# KiCad board panel.kicad_pcb
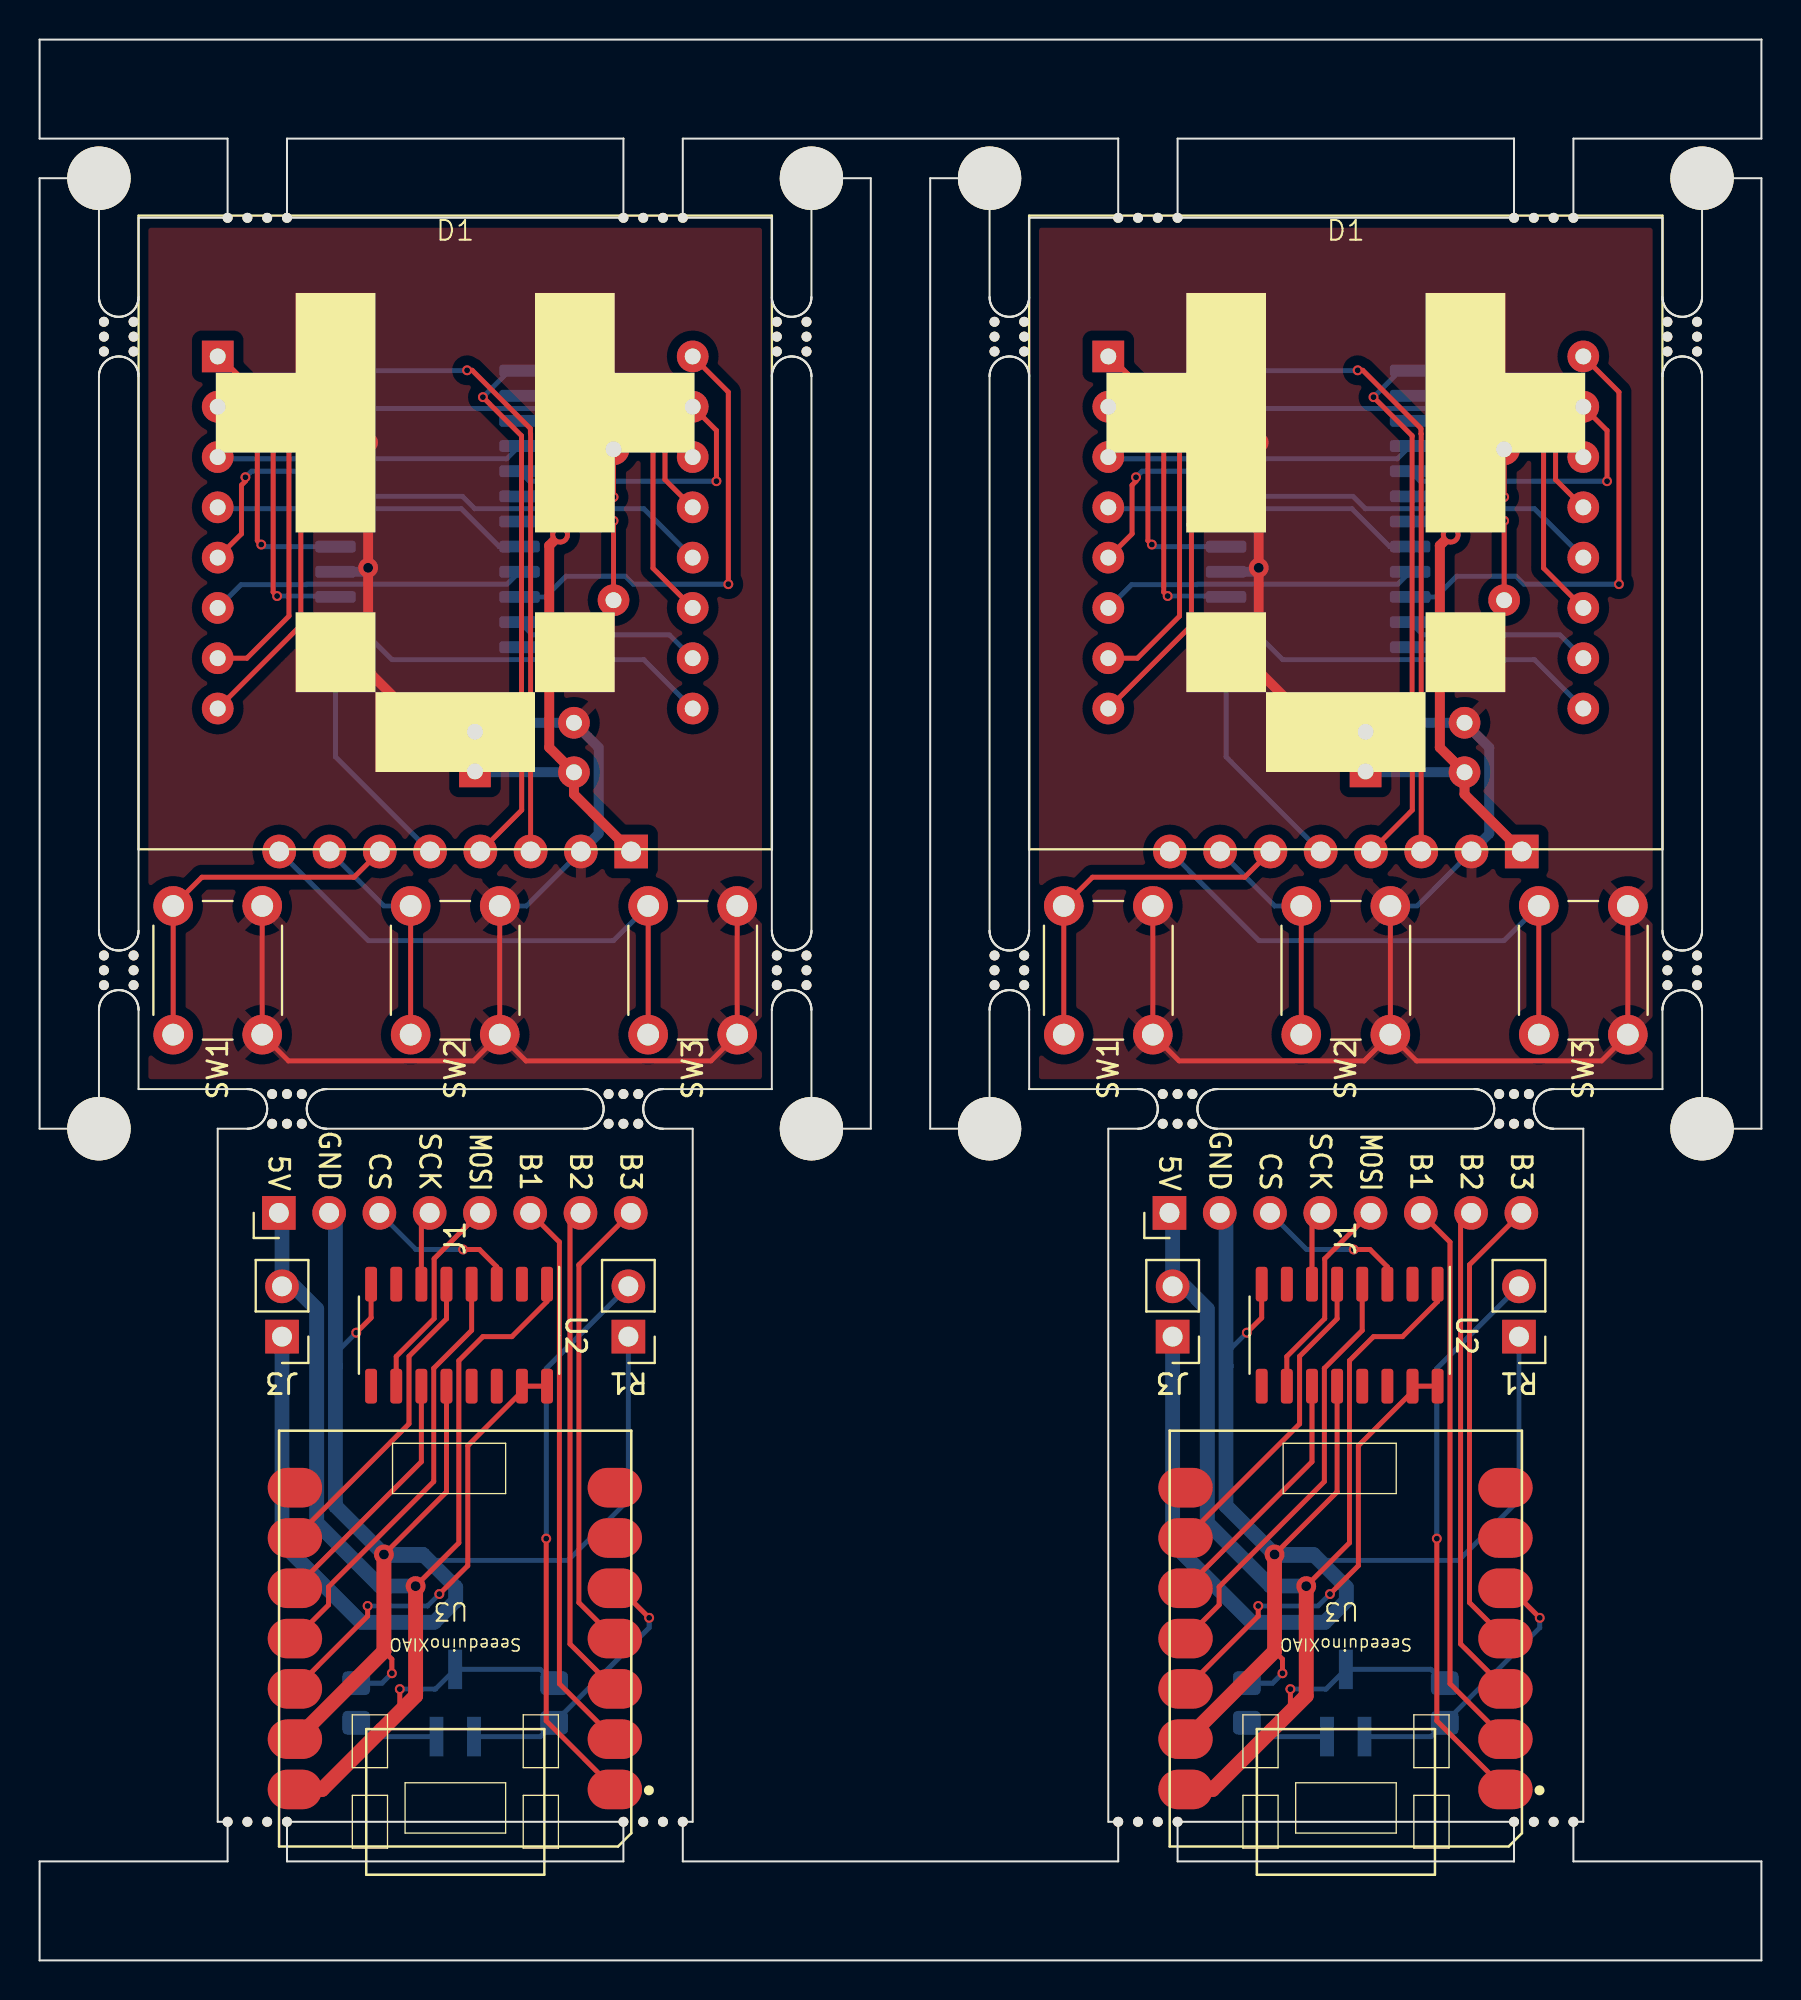
[diagram p0: board, top side]
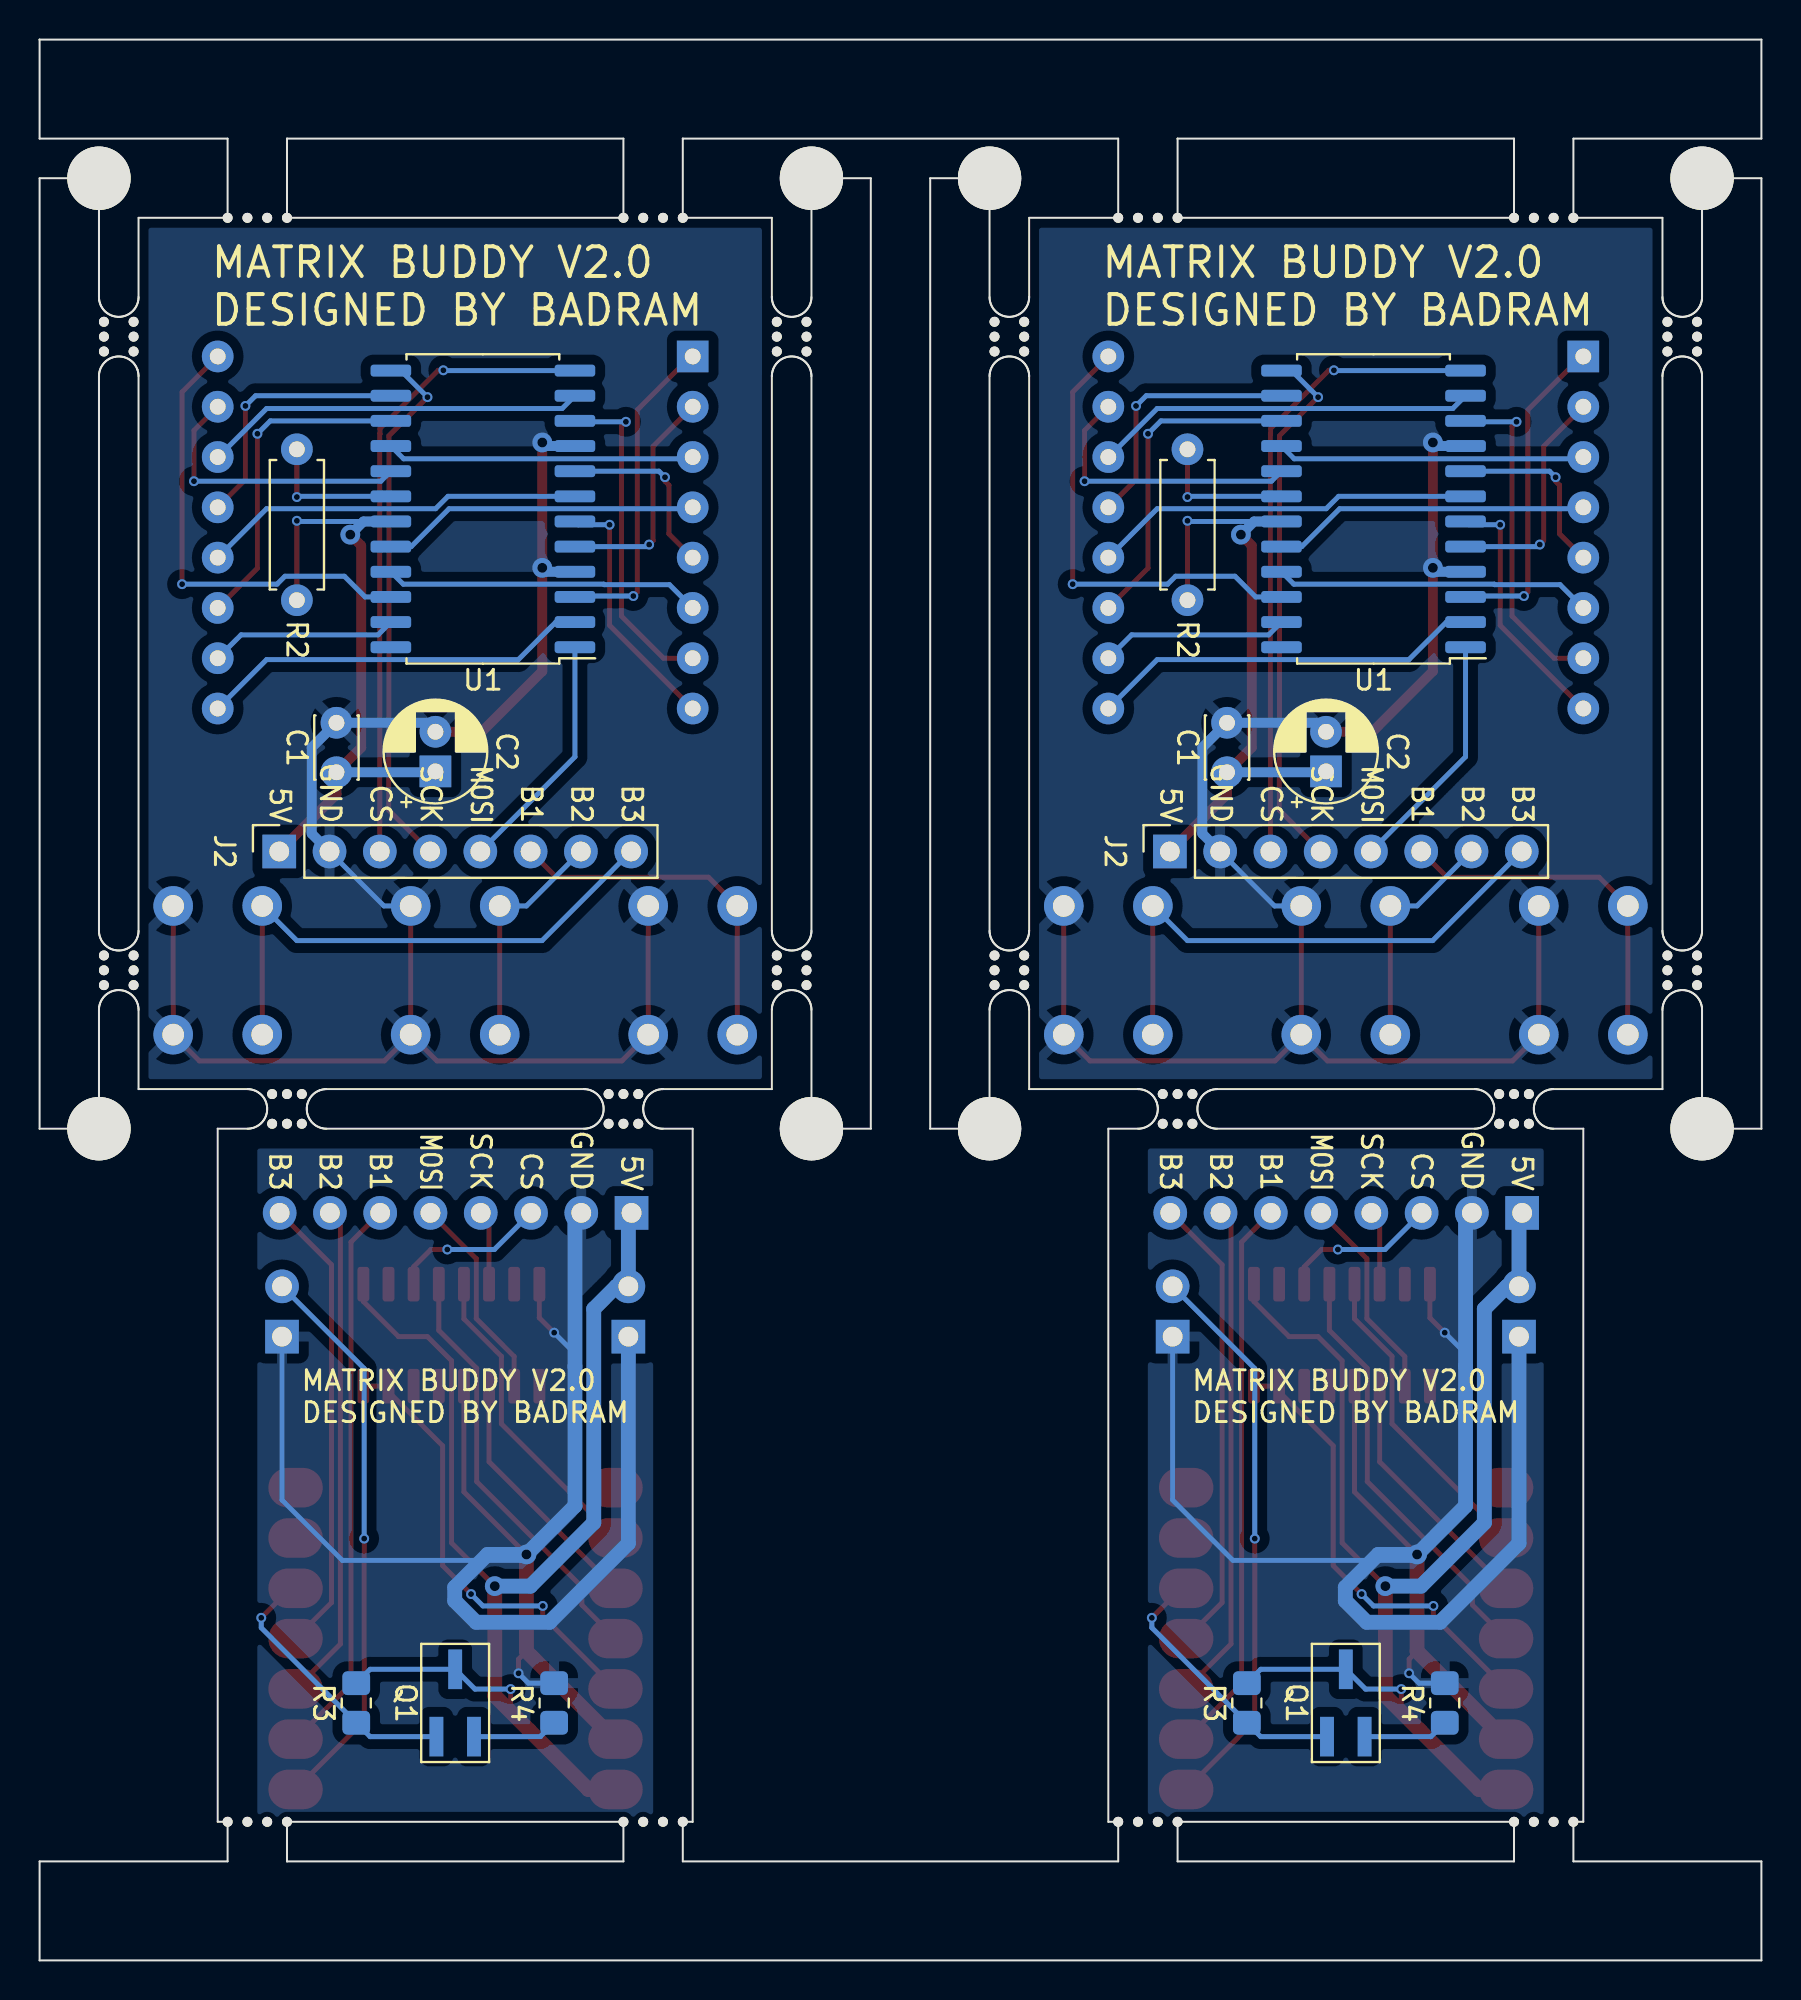
[diagram p1: board, bottom side, seen from below]

Outline 87 x 97 mm; copper layers: Top, Bottom. Coordinates in mm from the lower left corner of the outline.
Stack: Top 0.035mm / dielectric 1.51mm FR4 er 4.5 / Bottom 0.035mm

## Placement (name value [footprint] x y rotation side)
C1  0.1uF  [C_Disc_D3.0mm_W2.0mm_P2.50mm]  72 60 90 bottom
C1#2  0.1uF  [C_Disc_D3.0mm_W2.0mm_P2.50mm]  27 60 90 bottom
C2  10uF  [CP_Radial_D5.0mm_P2.00mm]  22 60.04 90 bottom
C2#2  10uF  [CP_Radial_D5.0mm_P2.00mm]  67 60.04 90 bottom
D1  ~  [8x8 LED Matrix]  21 72.11 0 top
D1#2  ~  [8x8 LED Matrix]  66 72.11 0 top
G***  -  [LOGO]  66 72.11 0 top
G***#2  -  [LOGO]  21 72.11 0 top
J1  Conn_01x08_Pin  [PinHeader_1x08_P2.54mm_Horizontal]  57.09 37.75 90 top
J1#2  Conn_01x08_Pin  [PinHeader_1x08_P2.54mm_Horizontal]  12.09 37.75 90 top
J2  Conn_01x08_Socket  [PinSocket_1x08_P2.54mm_Vertical]  21 56 90 bottom
J2#2  Conn_01x08_Socket  [PinSocket_1x08_P2.54mm_Vertical]  66 56 90 bottom
J3  BATT Connector  [PinHeader_1x02_P2.54mm_Vertical]  12.25 31.5 180 top
J3#2  BATT Connector  [PinHeader_1x02_P2.54mm_Vertical]  57.25 31.5 180 top
KiKit_MB_1_1  -  [NPTH]  32.5 7 0 top
KiKit_MB_1_2  -  [NPTH]  31.5 7 0 top
KiKit_MB_1_3  -  [NPTH]  30.5 7 0 top
KiKit_MB_1_4  -  [NPTH]  29.5 7 0 top
KiKit_MB_2_1  -  [NPTH]  12.5 7 0 top
KiKit_MB_2_2  -  [NPTH]  11.5 7 0 top
KiKit_MB_2_3  -  [NPTH]  10.5 7 0 top
KiKit_MB_2_4  -  [NPTH]  9.5 7 0 top
KiKit_MB_3_1  -  [NPTH]  29.5 88 0 top
KiKit_MB_3_2  -  [NPTH]  30.5 88 0 top
KiKit_MB_3_3  -  [NPTH]  31.5 88 0 top
KiKit_MB_3_4  -  [NPTH]  32.5 88 0 top
KiKit_MB_4_1  -  [NPTH]  9.5 88 0 top
KiKit_MB_4_2  -  [NPTH]  10.5 88 0 top
KiKit_MB_4_3  -  [NPTH]  11.5 88 0 top
KiKit_MB_4_4  -  [NPTH]  12.5 88 0 top
KiKit_MB_5_1  -  [NPTH]  77.5 7 0 top
KiKit_MB_5_2  -  [NPTH]  76.5 7 0 top
KiKit_MB_5_3  -  [NPTH]  75.5 7 0 top
KiKit_MB_5_4  -  [NPTH]  74.5 7 0 top
KiKit_MB_6_1  -  [NPTH]  57.5 7 0 top
KiKit_MB_6_2  -  [NPTH]  56.5 7 0 top
KiKit_MB_6_3  -  [NPTH]  55.5 7 0 top
KiKit_MB_6_4  -  [NPTH]  54.5 7 0 top
KiKit_MB_7_1  -  [NPTH]  74.5 88 0 top
KiKit_MB_7_2  -  [NPTH]  75.5 88 0 top
KiKit_MB_7_3  -  [NPTH]  76.5 88 0 top
KiKit_MB_7_4  -  [NPTH]  77.5 88 0 top
KiKit_MB_8_1  -  [NPTH]  54.5 88 0 top
KiKit_MB_8_2  -  [NPTH]  55.5 88 0 top
KiKit_MB_8_3  -  [NPTH]  56.5 88 0 top
KiKit_MB_8_4  -  [NPTH]  57.5 88 0 top
mouse-bite-2mm-slot  VAL**  [mouse-bite-2mm-slot]  83 82 90 top
mouse-bite-2mm-slot#2  VAL**  [mouse-bite-2mm-slot]  57.5 43 180 top
mouse-bite-2mm-slot#3  VAL**  [mouse-bite-2mm-slot]  74.5 43 180 top
mouse-bite-2mm-slot#4  VAL**  [mouse-bite-2mm-slot]  12.5 43 180 top
mouse-bite-2mm-slot#5  VAL**  [mouse-bite-2mm-slot]  83 50 90 top
mouse-bite-2mm-slot#6  VAL**  [mouse-bite-2mm-slot]  38 82 90 top
mouse-bite-2mm-slot#7  VAL**  [mouse-bite-2mm-slot]  38 50 90 top
mouse-bite-2mm-slot#8  VAL**  [mouse-bite-2mm-slot]  29.5 43 180 top
mouse-bite-2mm-slot#9  VAL**  [mouse-bite-2mm-slot]  4 82 90 top
mouse-bite-2mm-slot#10  VAL**  [mouse-bite-2mm-slot]  49 50 90 top
mouse-bite-2mm-slot#11  VAL**  [mouse-bite-2mm-slot]  4 50 90 top
mouse-bite-2mm-slot#12  VAL**  [mouse-bite-2mm-slot]  49 82 90 top
Q1  Q_PMOS_GSD  [SOT-23W_Handsoldering]  66 13 90 bottom
Q1#2  Q_PMOS_GSD  [SOT-23W_Handsoldering]  21 13 90 bottom
R1  R_Photo  [PinHeader_1x02_P2.54mm_Vertical]  74.75 31.5 180 top
R1#2  R_Photo  [PinHeader_1x02_P2.54mm_Vertical]  29.75 31.5 180 top
R2  47K  [R_Axial_DIN0207_L6.3mm_D2.5mm_P7.62mm_Horizontal]  74 68.69 90 bottom
R2#2  47K  [R_Axial_DIN0207_L6.3mm_D2.5mm_P7.62mm_Horizontal]  29 68.69 90 bottom
R3  100k  [R_0805_2012Metric_Pad1.20x1.40mm_HandSolder]  26 13 90 bottom
R3#2  100k  [R_0805_2012Metric_Pad1.20x1.40mm_HandSolder]  71 13 90 bottom
R4  22  [R_0805_2012Metric_Pad1.20x1.40mm_HandSolder]  16 13 90 bottom
R4#2  22  [R_0805_2012Metric_Pad1.20x1.40mm_HandSolder]  61 13 90 bottom
REF**  -  [MountingHole_3.2mm_M3]  39 42 0 top
REF**#2  -  [MountingHole_3.2mm_M3]  48 90 0 top
REF**#3  -  [MountingHole_3.2mm_M3]  3 42 0 top
REF**#4  -  [MountingHole_3.2mm_M3]  39 90 0 top
REF**#5  -  [MountingHole_3.2mm_M3]  84 42 0 top
REF**#6  -  [MountingHole_3.2mm_M3]  3 90 0 top
REF**#7  -  [MountingHole_3.2mm_M3]  48 42 0 top
REF**#8  -  [MountingHole_3.2mm_M3]  84 90 0 top
SW1  SW_Push  [SW_PUSH_6mm]  6.75 46.75 90 top
SW1#2  SW_Push  [SW_PUSH_6mm]  51.75 46.75 90 top
SW2  SW_Push  [SW_PUSH_6mm]  18.75 46.75 90 top
SW2#2  SW_Push  [SW_PUSH_6mm]  63.75 46.75 90 top
SW3  SW_Push  [SW_PUSH_6mm]  30.75 46.75 90 top
SW3#2  SW_Push  [SW_PUSH_6mm]  75.75 46.75 90 top
U1  MAX7221xWG  [SOIC-24W_7.5x15.4mm_P1.27mm]  64.6 73.3 0 bottom
U1#2  MAX7221xWG  [SOIC-24W_7.5x15.4mm_P1.27mm]  19.6 73.3 0 bottom
U2  4104  [SO-16_3.9x9.9mm_P1.27mm]  66.19 31.58 270 top
U2#2  4104  [SO-16_3.9x9.9mm_P1.27mm]  21.19 31.58 270 top
U3  SeeeduinoXIAO  [Seeeduino XIAO-MOUDLE NO-BOTTOM-CONNECTIONS]  66 26.75 180 top
U3#2  SeeeduinoXIAO  [Seeeduino XIAO-MOUDLE NO-BOTTOM-CONNECTIONS]  21 26.75 180 top

## Library data of the parts
C1 C1#2 = -: Description: Unpolarized capacitor
C2 C2#2 = -: Description: Polarized capacitor
J1 J1#2 J2 J2#2 = -: Description: Generic connector, single row, 01x08, script generated
J3 J3#2 = -: Description: Generic connector, single row, 01x02, script generated
Q1 Q1#2 = -: Description: P-MOSFET transistor, gate/source/drain
R1 R1#2 = -: Description: Photoresistor
R2 R2#2 R3 R3#2 R4 R4#2 = -: Description: Resistor, US symbol
SW1 SW1#2 SW2 SW2#2 SW3 SW3#2 = -: Description: Push button switch, generic, two pins
U1 U1#2 = -: Description: Serially Interfaced, 8-Digit LED Display Driver, SOIC-24W

## Footprints (pads in the part's own frame, mm; a bottom-side part is the same pattern mirrored in y, then rotated)
8x8 LED Matrix
  rect 1.6x1.6 hole 0.8: 1(-12,8.89)
  oval 1.6x1.6 hole 0.8: 2(-12,6.35) 3(-12,3.81) 4(-12,1.27) 5(-12,-1.27) 6(-12,-3.81) 7(-12,-6.35) 8(-12,-8.89) 9(12,-8.89) 10(12,-6.35) 11(12,-3.81) 12(12,-1.27) 13(12,1.27) 14(12,3.81) 15(12,6.35) 16(12,8.89)
C_Disc_D3.0mm_W2.0mm_P2.50mm
  round 1.6 hole 0.8: 1(0,0) 2(2.5,0)
CP_Radial_D5.0mm_P2.00mm
  rect 1.6x1.6 hole 0.8: 1(0,0)
  round 1.6 hole 0.8: 2(2,0)
MountingHole_3.2mm_M3
  round 3.2 hole 3.2 unplated: (0,0)
mouse-bite-2mm-slot
  round 0.5 hole 0.5 unplated: (-0.75,0.75) (-0.75,-0.75) (0,0.75) (0,-0.75) (0.75,0.75) (0.75,-0.75)
NPTH
  round 0.5 hole 0.5 unplated: (0,0)
PinHeader_1x02_P2.54mm_Vertical
  rect 1.7x1.7 hole 1: 1(0,0)
  oval 1.7x1.7 hole 1: 2(0,-2.54)
PinHeader_1x08_P2.54mm_Horizontal
  rect 1.7x1.7 hole 1: 1(0,0)
  oval 1.7x1.7 hole 1: 2(0,-2.54) 3(0,-5.08) 4(0,-7.62) 5(0,-10.16) 6(0,-12.7) 7(0,-15.24) 8(0,-17.78)
PinSocket_1x08_P2.54mm_Vertical
  rect 1.7x1.7 hole 1: 1(0,8.89)
  oval 1.7x1.7 hole 1: 2(0,6.35) 3(0,3.81) 4(0,1.27) 5(0,-1.27) 6(0,-3.81) 7(0,-6.35) 8(0,-8.89)
R_0805_2012Metric_Pad1.20x1.40mm_HandSolder
  rrect 1.2x1.4 smd: 1(-1,0) 2(1,0)
R_Axial_DIN0207_L6.3mm_D2.5mm_P7.62mm_Horizontal
  round 1.6 hole 0.8: 1(0,0)
  oval 1.6x1.6 hole 0.8: 2(7.62,0)
Seeeduino XIAO-MOUDLE NO-BOTTOM-CONNECTIONS
  oval 2.748x1.999 smd: 1(-8.066,18.118) 2(-8.066,15.578) 3(-8.066,13.038) 4(-8.066,10.498) 5(-8.066,7.958) 6(-8.066,5.418) 7(-8.066,2.878) 8(8.099,2.878) 9(8.099,5.418) 10(8.099,7.958) 11(8.099,10.498) 12(8.099,13.038) 13(8.099,15.578) 14(8.099,18.118)
SO-16_3.9x9.9mm_P1.27mm
  rrect 1.75x0.6 smd: 1(-2.575,4.445) 2(-2.575,3.175) 3(-2.575,1.905) 4(-2.575,0.635) 5(-2.575,-0.635) 6(-2.575,-1.905) 7(-2.575,-3.175) 8(-2.575,-4.445) 9(2.575,-4.445) 10(2.575,-3.175) 11(2.575,-1.905) 12(2.575,-0.635) 13(2.575,0.635) 14(2.575,1.905) 15(2.575,3.175) 16(2.575,4.445)
SOIC-24W_7.5x15.4mm_P1.27mm
  rrect 2.05x0.6 smd: 1(-4.65,6.985) 2(-4.65,5.715) 3(-4.65,4.445) 4(-4.65,3.175) 5(-4.65,1.905) 6(-4.65,0.635) 7(-4.65,-0.635) 8(-4.65,-1.905) 9(-4.65,-3.175) 10(-4.65,-4.445) 11(-4.65,-5.715) 12(-4.65,-6.985) 13(4.65,-6.985) 14(4.65,-5.715) 15(4.65,-4.445) 16(4.65,-3.175) 17(4.65,-1.905) 18(4.65,-0.635) 19(4.65,0.635) 20(4.65,1.905) 21(4.65,3.175) 22(4.65,4.445) 23(4.65,5.715) 24(4.65,6.985)
SOT-23W_Handsoldering
  rect 2x0.7 smd: 1(-1.7,0.95) 2(-1.7,-0.95) 3(1.7,0)
SW_PUSH_6mm
  round 2 hole 1.1: 1(0,0) 1(6.5,0) 2(0,-4.5) 2(6.5,-4.5)

## Nets
Board_0-/3V3: U2#2.15 U2#2.16 U3#2.12
Board_0-/5V_B2: J1#2.1 J3.2 Q1#2.3 R3.2 U2#2.1 U3#2.14
Board_0-/GND_B2: J1#2.2 J3.1 R1#2.1 R4.2 U2#2.8 U2#2.12 U3#2.13
Board_1-/3V3: U2.15 U2.16 U3.12
Board_1-/5V_B2: J1.1 J3#2.2 Q1.3 R3#2.2 U2.1 U3.14
Board_1-/GND_B2: J1.2 J3#2.1 R1.1 R4#2.2 U2.8 U2.12 U3.13
Board_0-+5V: C1#2.1 C2.1 J2.1 R2#2.1 U1#2.19
Board_0-/BUTT1_B2: J1#2.6 U3#2.2
Board_0-/BUTT2_B2: J1#2.7 U3#2.3
Board_0-/BUTT3_B2: J1#2.8 U3#2.4
Board_0-/CS_5V_B2: J1#2.3 U2#2.3
Board_0-/CS_B2: U2#2.11 U3#2.10
Board_0-/MOSI_5V_B2: J1#2.5 U2#2.10
Board_0-/MOSI_B2: U2#2.4 U3#2.11
Board_0-/PHOTO_SENSE: R1#2.2 U3#2.1
Board_0-/SCK_5V_B2: J1#2.4 U2#2.6
Board_0-/SCK_B2: U2#2.5 U3#2.9
Board_0-COL1: D1.13 U1#2.14
Board_0-COL2: D1.3 U1#2.16
Board_0-COL3: D1.4 U1#2.20
Board_0-COL4: D1.10 U1#2.23
Board_0-COL5: D1.6 U1#2.21
Board_0-COL6: D1.11 U1#2.15
Board_0-COL7: D1.15 U1#2.17
Board_0-COL8: D1.16 U1#2.22
Board_0-Earth: C1#2.2 C2.2 J2.2 SW1.2 SW2.2 SW3.2 U1#2.4 U1#2.9
Board_0-Net-(J2-Pin_3): J2.3 U1#2.12
Board_0-Net-(J2-Pin_4): J2.4 U1#2.13
Board_0-Net-(J2-Pin_5): J2.5 U1#2.1
Board_0-Net-(J2-Pin_6): J2.6 SW1.1
Board_0-Net-(J2-Pin_7): J2.7 SW2.1
Board_0-Net-(J2-Pin_8): J2.8 SW3.1
Board_0-Net-(Q1-G): Q1#2.1 R3.1 U3#2.5
Board_0-Net-(Q1-S): Q1#2.2 R4.1
Board_0-Net-(U1-ISET): R2#2.2 U1#2.18
Board_0-ROW1: D1.9 U1#2.2
Board_0-ROW2: D1.14 U1#2.11
Board_0-ROW3: D1.8 U1#2.6
Board_0-ROW4: D1.12 U1#2.7
Board_0-ROW5: D1.1 U1#2.3
Board_0-ROW6: D1.7 U1#2.10
Board_0-ROW7: D1.2 U1#2.5
Board_0-ROW8: D1.5 U1#2.8
Board_0-unconnected-(U1-DOUT-Pad24): U1#2.24
Board_0-unconnected-(U2-Pad2): U2#2.2
Board_0-unconnected-(U2-Pad7): U2#2.7
Board_0-unconnected-(U2-Pad9): U2#2.9
Board_0-unconnected-(U2-Pad13): U2#2.13
Board_0-unconnected-(U2-Pad14): U2#2.14
Board_0-unconnected-(U3-PA9_A5_D5_SCL-Pad6): U3#2.6
Board_0-unconnected-(U3-PB08_A6_D6_TX-Pad7): U3#2.7
Board_0-unconnected-(U3-PB09_A7_D7_RX-Pad8): U3#2.8
Board_1-+5V: C1.1 C2#2.1 J2#2.1 R2.1 U1.19
Board_1-/BUTT1_B2: J1.6 U3.2
Board_1-/BUTT2_B2: J1.7 U3.3
Board_1-/BUTT3_B2: J1.8 U3.4
Board_1-/CS_5V_B2: J1.3 U2.3
Board_1-/CS_B2: U2.11 U3.10
Board_1-/MOSI_5V_B2: J1.5 U2.10
Board_1-/MOSI_B2: U2.4 U3.11
Board_1-/PHOTO_SENSE: R1.2 U3.1
Board_1-/SCK_5V_B2: J1.4 U2.6
Board_1-/SCK_B2: U2.5 U3.9
Board_1-COL1: D1#2.13 U1.14
Board_1-COL2: D1#2.3 U1.16
Board_1-COL3: D1#2.4 U1.20
Board_1-COL4: D1#2.10 U1.23
Board_1-COL5: D1#2.6 U1.21
Board_1-COL6: D1#2.11 U1.15
Board_1-COL7: D1#2.15 U1.17
Board_1-COL8: D1#2.16 U1.22
Board_1-Earth: C1.2 C2#2.2 J2#2.2 SW1#2.2 SW2#2.2 SW3#2.2 U1.4 U1.9
Board_1-Net-(J2-Pin_3): J2#2.3 U1.12
Board_1-Net-(J2-Pin_4): J2#2.4 U1.13
Board_1-Net-(J2-Pin_5): J2#2.5 U1.1
Board_1-Net-(J2-Pin_6): J2#2.6 SW1#2.1
Board_1-Net-(J2-Pin_7): J2#2.7 SW2#2.1
Board_1-Net-(J2-Pin_8): J2#2.8 SW3#2.1
Board_1-Net-(Q1-G): Q1.1 R3#2.1 U3.5
Board_1-Net-(Q1-S): Q1.2 R4#2.1
Board_1-Net-(U1-ISET): R2.2 U1.18
Board_1-ROW1: D1#2.9 U1.2
Board_1-ROW2: D1#2.14 U1.11
Board_1-ROW3: D1#2.8 U1.6
Board_1-ROW4: D1#2.12 U1.7
Board_1-ROW5: D1#2.1 U1.3
Board_1-ROW6: D1#2.7 U1.10
Board_1-ROW7: D1#2.2 U1.5
Board_1-ROW8: D1#2.5 U1.8
Board_1-unconnected-(U1-DOUT-Pad24): U1.24
Board_1-unconnected-(U2-Pad2): U2.2
Board_1-unconnected-(U2-Pad7): U2.7
Board_1-unconnected-(U2-Pad9): U2.9
Board_1-unconnected-(U2-Pad13): U2.13
Board_1-unconnected-(U2-Pad14): U2.14
Board_1-unconnected-(U3-PA9_A5_D5_SCL-Pad6): U3.6
Board_1-unconnected-(U3-PB08_A6_D6_TX-Pad7): U3.7
Board_1-unconnected-(U3-PB09_A7_D7_RX-Pad8): U3.8

## Via types
v1: diameter 0.5, hole 0.3, Top to Bottom, 42 vias
v2: diameter 1, hole 0.5, Top to Bottom, 10 vias

## Routing (per net, layer and track width the routed paths; a pad name or vN(x,y) marks a point on that pad's centre or on a via; arc(x,y) is an arc through that point)
Board_0-/3V3: length 23.1
  Top w0.25: v1(16.58,17.9) 16.58,17.39 U3#2.12 ; U2#2.16 U2#2.15 24.37,28.72 21.64,25.99 21.64,19.94 v1(20.2,18.5)
  Bottom w0.25: v1(20.2,18.5) 19.6,17.9 v1(16.58,17.9)
Board_0-/5V_B2: length 65.4
  Top w0.25: v2(19,18.9) 21.19,21.08 21.19,30.28 22.4,31.5 23.87,31.5 25.64,33.28 U2#2.1 ; v1(18.2,13.7) 18.2,12.56
  Top w0.5: 12.25,37.59 J1#2.1
  Top w0.75: v2(19,18.9) 19,13.36 14.27,8.63 U3#2.14
  Bottom w0.25: v1(18.2,13.7) 20,13.7 Q1#2.3 25.3,14.7 R3.2
  Bottom w0.75: J1#2.1 12.25,37.59 J3.2 12.86,34.04 14,32.9 14,22.1 17.2,18.9 v2(19,18.9)
Board_0-/GND_B2: length 95.3
  Top w0.25: 17.4,15.61 17.8,15.21 v1(17.8,14.5) ; v1(16,31.7) 16.75,32.45 U2#2.8 ; v2(17.4,20.5) 20.56,23.66 U2#2.12
  Top w0.75: v2(17.4,20.5) 17.4,15.61 12.96,11.17 U3#2.13
  Bottom w0.25: v1(16,31.7) 14.95,30.65 ; v2(17.4,20.5) 17.7,20.2 26.7,20.2 29.75,23.25 R1#2.1 ; v1(17.8,14.5) 17.3,14 R4.2
  Bottom w0.75: J1#2.2 14.95,37.43 14.95,22.95 v2(17.4,20.5) 19.37,20.5 21.03,18.84 21.03,18.16 19.94,17.08 16.23,17.08 12.25,21.06 J3.1
Board_1-/3V3: length 23.1
  Top w0.25: v1(61.58,17.9) 61.58,17.39 U3.12 ; U2.16 U2.15 69.37,28.72 66.63,25.99 66.63,19.94 v1(65.2,18.5)
  Bottom w0.25: v1(65.2,18.5) 64.6,17.9 v1(61.58,17.9)
Board_1-/5V_B2: length 65.4
  Top w0.25: U2.1 70.64,33.28 68.87,31.5 67.4,31.5 66.19,30.28 66.19,21.08 v2(64,18.9) ; v1(63.2,13.7) 63.2,12.56
  Top w0.5: 57.25,37.59 J1.1
  Top w0.75: v2(64,18.9) 64,13.36 59.27,8.63 U3.14
  Bottom w0.25: R3#2.2 70.3,14.7 Q1.3 65,13.7 v1(63.2,13.7)
  Bottom w0.75: v2(64,18.9) 62.2,18.9 59,22.1 59,32.9 57.86,34.04 J3#2.2 57.25,37.59 J1.1
Board_1-/GND_B2: length 95.3
  Top w0.25: 62.4,15.61 62.8,15.21 v1(62.8,14.5) ; U2.8 61.75,32.45 v1(61,31.7) ; v2(62.4,20.5) 65.56,23.66 U2.12
  Top w0.75: v2(62.4,20.5) 62.4,15.61 57.96,11.17 U3.13
  Bottom w0.25: R4#2.2 62.3,14 v1(62.8,14.5) ; R1.1 74.75,23.25 71.7,20.2 62.7,20.2 v2(62.4,20.5) ; v1(61,31.7) 59.95,30.65
  Bottom w0.75: J3#2.1 57.25,21.06 61.23,17.08 64.94,17.08 66.03,18.16 66.03,18.84 64.37,20.5 v2(62.4,20.5) 59.95,22.95 59.95,37.43 J1.2
Board_0-+5V: length 34.1
  Top w0.25: R2#2.1 v1(29,72.7)
  Top w0.5: J2.1 27,58.89 C1#2.1 25.75,61.25 25.75,71.45 v2(26.3,72)
  Bottom w0.25: v1(29,72.7) 28.97,72.66 U1#2.19
  Bottom w0.5: C1#2.1 22.04,60 C2.1 ; v2(26.3,72) 25.63,72.66 U1#2.19
Board_0-/BUTT1_B2: length 28.3
  Top w0.25: J1#2.6 26.26,36.28 26.26,13.97 U3#2.2
Board_0-/BUTT2_B2: length 25.2
  Top w0.25: J1#2.7 26.8,37.22 26.8,15.98 U3#2.3
Board_0-/BUTT3_B2: length 23.3
  Top w0.25: J1#2.8 27.25,35.13 27.25,18.07 U3#2.4
Board_0-/CS_5V_B2: length 7.9
  Top w0.25: U2#2.3 23.1,35.03 22.22,35.9 v1(21.4,35.9)
  Bottom w0.25: J1#2.3 19.02,35.9 v1(21.4,35.9)
Board_0-/CS_B2: length 12.9
  Top w0.25: U3#2.10 19.29,25.18 U2#2.11
Board_0-/MOSI_5V_B2: length 10.5
  Top w0.25: J1#2.5 19.94,35.44 19.94,32.41 18.02,30.5 U2#2.10
Board_0-/MOSI_B2: length 21.6
  Top w0.25: U3#2.11 14.6,17.95 14.6,18.87 19.92,24.18 19.92,29.9 21.83,31.82 U2#2.4
Board_0-/PHOTO_SENSE: length 28.6
  Top w0.25: U3#2.1 25.6,12.1 v1(25.6,21.3)
  Bottom w0.25: R1#2.2 25.6,29.89 v1(25.6,21.3)
Board_0-/SCK_5V_B2: length 3.8
  Top w0.25: J1#2.4 19.29,37.33 U2#2.6
Board_0-/SCK_B2: length 16
  Top w0.25: U2#2.5 20.56,32.4 18.67,30.51 18.67,27.1 U3#2.9
Board_0-COL1: length 13.3
  Top w0.25: D1.13 31.6,74.78 v1(31.6,78.5)
  Bottom w0.25: U1#2.14 31.09,79.02 v1(31.6,78.5)
Board_0-COL2: length 15.6
  Bottom w0.25: D1.3 9.09,75.83 23.6,75.83 24.25,76.47
Board_0-COL3: length 16.1
  Bottom w0.25: 24.25,71.4 23.22,71.4 21.31,73.31 9.07,73.31 D1.4
Board_0-COL4: length 9.5
  Bottom w0.25: U1#2.23 24.9,66.94 31.82,66.94 D1.10
Board_0-COL5: length 16
  Bottom w0.25: U1#2.21 23.62,69.5 13.5,69.5 13.47,69.47 10.17,69.47 D1.6
Board_0-COL6: length 16.6
  Top w0.25: D1.11 30.99,70.31 v1(30.99,77.09)
  Bottom w0.25: U1#2.15 30.34,77.75 v1(30.99,77.09)
Board_0-COL7: length 14.4
  Top w0.25: D1.15 34.2,77.26 v1(34.2,74.7)
  Bottom w0.25: U1#2.17 24.75,74.7 v1(34.2,74.7)
Board_0-COL8: length 23.4
  Top w0.25: D1.16 34.8,79.2 v1(34.8,69.5)
  Bottom w0.25: v1(34.8,69.5) 30,69.5 29.6,69.9 26.6,69.9 25.56,68.85 U1#2.22
Board_0-Earth: length 85.2
  Top w0.25: SW2.2 21.92,45.42 12.58,45.42 SW1.2 SW1.2 ; SW2.2 SW2.2 ; SW2.2 24.57,45.42 33.93,45.42 SW3.2 SW3.2
  Top w0.5: v2(16.6,76.65) v2(16.6,70.32) 16.6,65.1 19.66,62.04 C2.2
  Bottom w0.25: J2.2 24.6,53.25 SW2.2
  Bottom w0.5: 14.95,76.47 16.42,76.47 v2(16.6,76.65) ; C2.2 22.46,62.5 C1#2.2 28.25,61.25 28.25,56.9 J2.2 ; U1#2.4 16.4,70.12 v2(16.6,70.32)
Board_0-Net-(J2-Pin_3): length 32.4
  Top w0.25: J2.3 24.81,77.09 24.8,77.1 24.8,77.36 21.86,80.3 v1(21.6,80.3)
  Bottom w0.25: U1#2.12 21.58,80.28 v1(21.6,80.3)
Board_0-Net-(J2-Pin_4): length 27
  Top w0.25: J2.4 24.36,58.09 24.36,62.7 24.35,62.71 24.35,76.99 v1(22.4,78.94)
  Bottom w0.25: v1(22.4,78.94) 23.74,80.28 U1#2.13
Board_0-Net-(J2-Pin_5): length 12.3
  Bottom w0.25: U1#2.1 14.95,60.78 J2.5
Board_0-Net-(J2-Pin_6): length 18.1
  Top w0.25: J2.6 15.89,54.7 8.2,54.7 SW1.1 SW1.1
Board_0-Net-(J2-Pin_7): length 11.7
  Top w0.25: SW2.1 SW2.1
  Bottom w0.25: J2.7 17.4,53.25 SW2.1
Board_0-Net-(J2-Pin_8): length 27.7
  Top w0.25: SW3.1 SW3.1
  Bottom w0.25: SW3.1 29,51.5 16.61,51.5 J2.8
Board_0-Net-(Q1-G): length 14
  Top w0.25: v1(30.8,17.3) 29.31,18.79 U3#2.5
  Bottom w0.25: v1(30.8,17.3) 30.8,16.8 R3.1 25.3,11.3 Q1#2.1
Board_0-Net-(Q1-S): length 4.3
  Bottom w0.25: Q1#2.2 16.7,11.3 R4.1
Board_0-Net-(U1-ISET): length 7.2
  Top w0.25: R2#2.2 v1(29,73.9)
  Bottom w0.25: 24.25,73.94 28.97,73.94 v1(29,73.9)
Board_0-ROW1: length 19.9
  Bottom w0.25: D1.9 30.53,65.69 17.81,65.69 15.92,67.59 U1#2.2
Board_0-ROW2: length 19.3
  Bottom w0.25: D1.14 32.98,75.92 30.53,78.37 15.59,78.37 U1#2.11
Board_0-ROW3: length 12.8
  Top w0.25: v1(13.2,72.5) 13.2,67.42 D1.8
  Bottom w0.25: U1#2.6 14.78,72.5 v1(13.2,72.5)
Board_0-ROW4: length 19.3
  Bottom w0.25: 14.95,73.94 21.36,73.94 21.99,73.31 30.53,73.31 D1.12
Board_0-ROW5: length 16.4
  Top w0.25: D1.1 9.1,81 11.8,78.3 11.8,69.1 v1(12,68.9)
  Bottom w0.25: v1(12,68.9) 14.91,68.9 U1#2.3
Board_0-ROW6: length 17
  Top w0.25: D1.7 10.47,65.76 12.6,67.89 12.6,77.47 v1(12.37,77.7)
  Bottom w0.25: U1#2.10 14.91,77.7 v1(12.37,77.7)
Board_0-ROW7: length 11.7
  Top w0.25: v1(11.2,71.5) 11,71.7 11,76.46 D1.2
  Bottom w0.25: 14.95,71.4 11.31,71.4 v1(11.2,71.5)
Board_0-ROW8: length 9.3
  Top w0.25: D1.5 10.2,72.04 10.2,74.5 10.4,74.7 v1(10.4,74.9)
  Bottom w0.25: v1(10.4,74.9) 10.7,75.2 U1#2.8
Board_1-+5V: length 34.1
  Top w0.25: R2.1 v1(74,72.7)
  Top w0.5: J2#2.1 72,58.89 C1.1 70.75,61.25 70.75,71.45 v2(71.3,72)
  Bottom w0.25: U1.19 73.97,72.66 v1(74,72.7)
  Bottom w0.5: v2(71.3,72) 70.63,72.66 U1.19 ; C1.1 67.04,60 C2#2.1
Board_1-/BUTT1_B2: length 28.3
  Top w0.25: J1.6 71.26,36.28 71.26,13.97 U3.2
Board_1-/BUTT2_B2: length 25.2
  Top w0.25: J1.7 71.8,37.22 71.8,15.98 U3.3
Board_1-/BUTT3_B2: length 23.3
  Top w0.25: U3.4 72.25,18.07 72.25,35.13 J1.8
Board_1-/CS_5V_B2: length 7.9
  Top w0.25: v1(66.4,35.9) 67.22,35.9 68.1,35.03 U2.3
  Bottom w0.25: v1(66.4,35.9) 64.02,35.9 J1.3
Board_1-/CS_B2: length 12.9
  Top w0.25: U3.10 64.29,25.18 U2.11
Board_1-/MOSI_5V_B2: length 10.5
  Top w0.25: U2.10 63.02,30.5 64.94,32.41 64.94,35.44 J1.5
Board_1-/MOSI_B2: length 21.6
  Top w0.25: U3.11 59.6,17.95 59.6,18.87 64.91,24.18 64.91,29.9 66.83,31.82 U2.4
Board_1-/PHOTO_SENSE: length 28.6
  Top w0.25: U3.1 70.6,12.1 v1(70.6,21.3)
  Bottom w0.25: R1.2 70.6,29.89 v1(70.6,21.3)
Board_1-/SCK_5V_B2: length 3.8
  Top w0.25: J1.4 64.29,37.33 U2.6
Board_1-/SCK_B2: length 16
  Top w0.25: U2.5 65.56,32.4 63.66,30.51 63.66,27.1 U3.9
Board_1-COL1: length 13.3
  Top w0.25: D1#2.13 76.6,74.78 v1(76.6,78.5)
  Bottom w0.25: U1.14 76.09,79.02 v1(76.6,78.5)
Board_1-COL2: length 15.6
  Bottom w0.25: D1#2.3 54.09,75.83 68.6,75.83 69.25,76.47
Board_1-COL3: length 16.1
  Bottom w0.25: D1#2.4 54.07,73.31 66.31,73.31 68.22,71.4 69.25,71.4
Board_1-COL4: length 9.5
  Bottom w0.25: U1.23 69.9,66.94 76.82,66.94 D1#2.10
Board_1-COL5: length 16
  Bottom w0.25: U1.21 68.62,69.5 58.5,69.5 58.47,69.47 55.18,69.47 D1#2.6
Board_1-COL6: length 16.6
  Top w0.25: v1(75.99,77.09) 75.99,70.31 D1#2.11
  Bottom w0.25: U1.15 75.34,77.75 v1(75.99,77.09)
Board_1-COL7: length 14.4
  Top w0.25: v1(79.2,74.7) 79.2,77.26 D1#2.15
  Bottom w0.25: U1.17 69.75,74.7 v1(79.2,74.7)
Board_1-COL8: length 23.4
  Top w0.25: D1#2.16 79.8,79.2 v1(79.8,69.5)
  Bottom w0.25: v1(79.8,69.5) 75,69.5 74.6,69.9 71.6,69.9 70.56,68.85 U1.22
Board_1-Earth: length 85.2
  Top w0.25: SW2#2.2 69.57,45.42 78.93,45.42 SW3#2.2 SW3#2.2 ; SW2#2.2 66.93,45.42 57.57,45.42 SW1#2.2 SW1#2.2 ; SW2#2.2 SW2#2.2
  Top w0.5: v2(61.6,76.65) v2(61.6,70.32) 61.6,65.1 64.66,62.04 C2#2.2
  Bottom w0.25: J2#2.2 69.6,53.25 SW2#2.2
  Bottom w0.5: C2#2.2 67.46,62.5 C1.2 73.25,61.25 73.25,56.9 J2#2.2 ; 59.95,76.47 61.42,76.47 v2(61.6,76.65) ; U1.4 61.4,70.12 v2(61.6,70.32)
Board_1-Net-(J2-Pin_3): length 32.4
  Top w0.25: J2#2.3 69.81,77.09 69.8,77.1 69.8,77.36 66.86,80.3 v1(66.6,80.3)
  Bottom w0.25: U1.12 66.59,80.28 v1(66.6,80.3)
Board_1-Net-(J2-Pin_4): length 27
  Top w0.25: v1(67.4,78.94) 69.35,76.99 69.35,62.71 69.36,62.7 69.36,58.09 J2#2.4
  Bottom w0.25: U1.13 68.74,80.28 v1(67.4,78.94)
Board_1-Net-(J2-Pin_5): length 12.3
  Bottom w0.25: U1.1 59.95,60.78 J2#2.5
Board_1-Net-(J2-Pin_6): length 18.1
  Top w0.25: J2#2.6 60.89,54.7 53.2,54.7 SW1#2.1 SW1#2.1
Board_1-Net-(J2-Pin_7): length 11.7
  Top w0.25: SW2#2.1 SW2#2.1
  Bottom w0.25: J2#2.7 62.4,53.25 SW2#2.1
Board_1-Net-(J2-Pin_8): length 27.7
  Top w0.25: SW3#2.1 SW3#2.1
  Bottom w0.25: SW3#2.1 74,51.5 61.61,51.5 J2#2.8
Board_1-Net-(Q1-G): length 14
  Top w0.25: U3.5 74.31,18.79 v1(75.8,17.3)
  Bottom w0.25: Q1.1 70.3,11.3 R3#2.1 75.8,16.8 v1(75.8,17.3)
Board_1-Net-(Q1-S): length 4.3
  Bottom w0.25: Q1.2 61.7,11.3 R4#2.1
Board_1-Net-(U1-ISET): length 7.2
  Top w0.25: R2.2 v1(74,73.9)
  Bottom w0.25: v1(74,73.9) 73.97,73.94 69.25,73.94
Board_1-ROW1: length 19.9
  Bottom w0.25: U1.2 60.91,67.59 62.81,65.69 75.53,65.69 D1#2.9
Board_1-ROW2: length 19.3
  Bottom w0.25: U1.11 60.59,78.37 75.53,78.37 77.98,75.92 D1#2.14
Board_1-ROW3: length 12.8
  Top w0.25: D1#2.8 58.2,67.42 v1(58.2,72.5)
  Bottom w0.25: v1(58.2,72.5) 59.78,72.5 U1.6
Board_1-ROW4: length 19.3
  Bottom w0.25: 59.95,73.94 66.37,73.94 66.99,73.31 75.53,73.31 D1#2.12
Board_1-ROW5: length 16.4
  Top w0.25: v1(57,68.9) 56.8,69.1 56.8,78.3 54.1,81 D1#2.1
  Bottom w0.25: v1(57,68.9) 59.91,68.9 U1.3
Board_1-ROW6: length 17
  Top w0.25: D1#2.7 55.47,65.76 57.6,67.89 57.6,77.47 v1(57.37,77.7)
  Bottom w0.25: v1(57.37,77.7) 59.91,77.7 U1.10
Board_1-ROW7: length 11.7
  Top w0.25: v1(56.2,71.5) 56,71.7 56,76.46 D1#2.2
  Bottom w0.25: 59.95,71.4 56.31,71.4 v1(56.2,71.5)
Board_1-ROW8: length 9.3
  Top w0.25: v1(55.4,74.9) 55.4,74.7 55.2,74.5 55.2,72.04 D1#2.5
  Bottom w0.25: U1.8 55.71,75.2 v1(55.4,74.9)

## Copper pours and planes (outline as drawn; the poured copper is in the pictures)
Board_0-/GND_B2 on Bottom: 11,41 31,41 31,5.5 11,5.5
Board_1-/GND_B2 on Bottom: 56,41 76,41 76,5.5 56,5.5
Board_0-Earth on Top, Bottom: 5.5,87.5 36.5,87.5 36.5,44.5 5.5,44.5
Board_1-Earth on Top, Bottom: 50.5,87.5 81.5,87.5 81.5,44.5 50.5,44.5

## Text on the board
B.Silkscreen: MOSI | MATRIX BUDDY V2.0 / DESIGNED BY BADRAM | B3 | 5V | B2 | GND | B1 | CS | SCK
F.Silkscreen: MOSI | 5V | GND | CS | SCK | B1 | B2 | B3
